# Altium PCB PCB.PcbDoc (part 1 of 2) (continued)
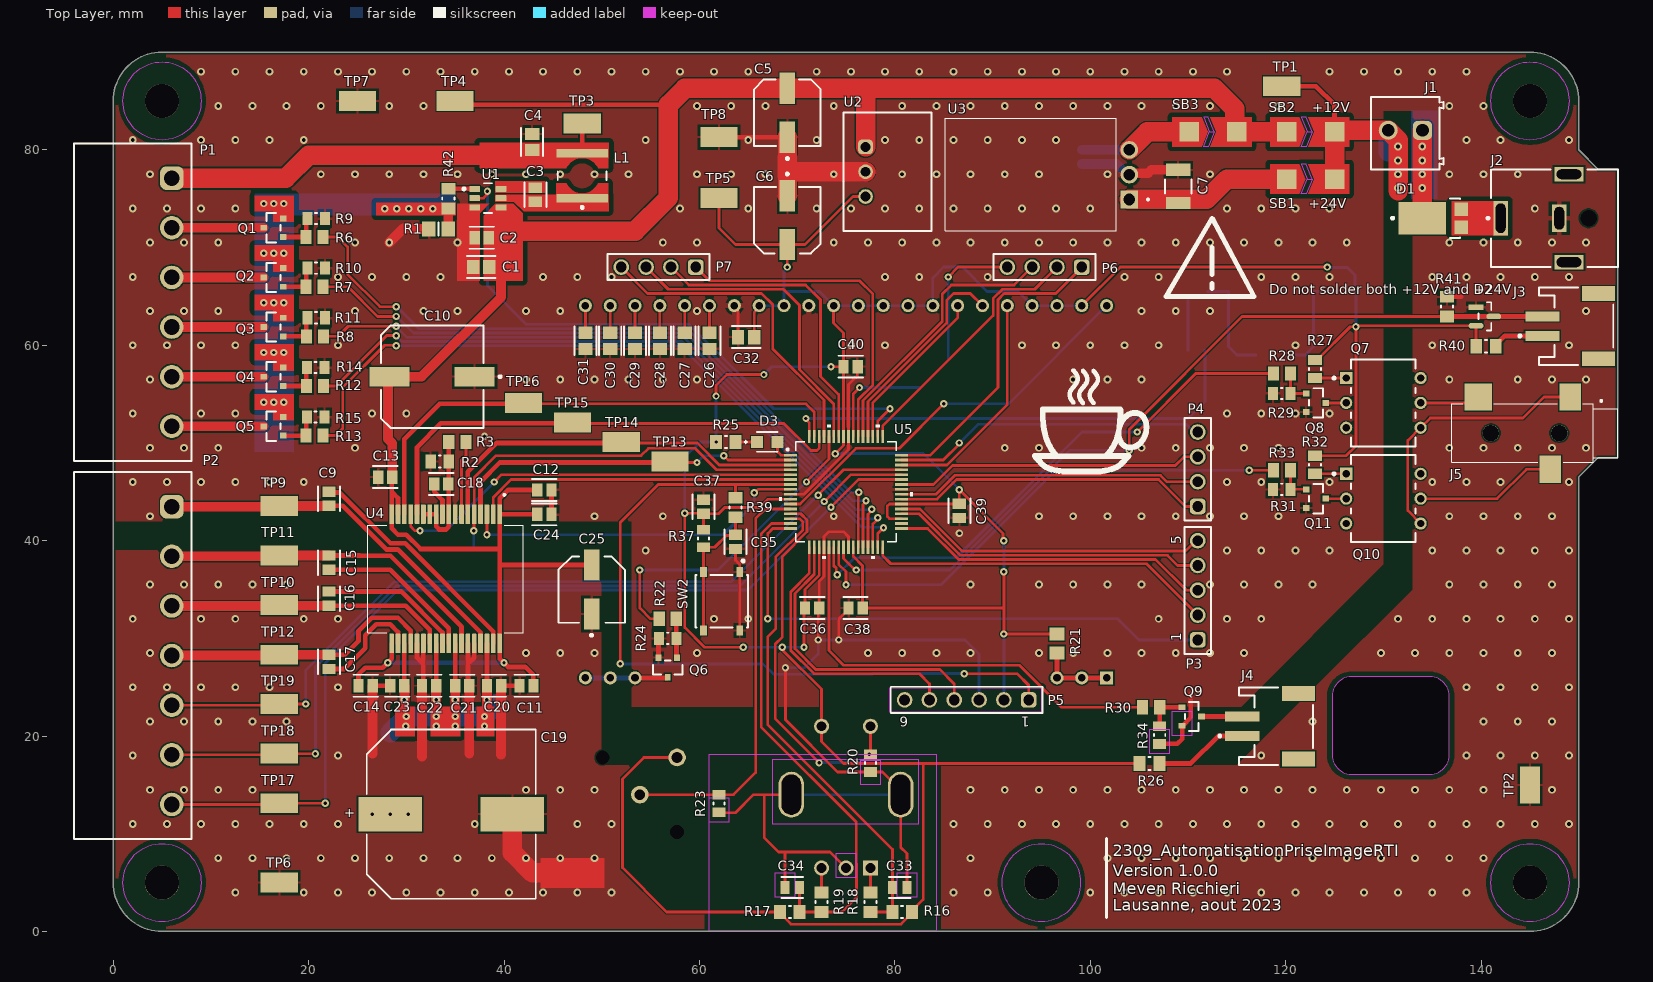
[diagram p0: Top Layer view]
## Footprints (in the part's own frame and the unit in brackets; to place one, negate y for a bottom-side part, rotate by r counter-clockwise, add the part's x,y. Pads: shape width x height; smd on the part's side, far side on the other; paste and mask are expansions set on the pad) (continued)
"JST- S2B-PH-SM4-TB(LF)(SN)-2_V" [mm] "SMD, 2-Leads, Body 7.9x7.6mm, Pitch 2mm"
  rect 1x3.5 smd: 1(-1,3.45) 2(1,3.45)
  rect 1.5x3.4 smd: MP1(-3.35,-2.3) MP2(3.35,-2.3)
  silkscreen extent -3.95,-3.8 3.95,5.87, body extent -3.95,-3.8 3.95,4.8, height 5.6
KSTN-5019_V [mm] "Test Point, 1-Leads, Body 3.81x2.03mm"
  rect 3.8x2.03 smd: 1(0,0)
  body extent -1.9,-1.01 1.9,1.02, height 2.29
P7812-2000R-S [mm]
  rect 1.8x1.8 / inner round 1.8 / far side rect 1.8x1.8 hole 1.2: 1(-10.1,2.54)
  round 1.8 hole 1.2: 2(-10.1,0) 3(-10.1,-2.54)
  silkscreen extent -12.1,-5.75 8.75,5.75, body extent -10.25,-5.75 8.75,5.75, height 9.05
RESC2013X50X30NL20T20 [mm] "Chip Resistor, 2-Leads, Body 2.00x1.25mm, IPC Medium Density"
  rect 1.05x1.45 smd: 1(-0.925,0) 2(0.925,0)
  silkscreen extent -0.1,-0.63 0.1,0.63, body extent -1.1,-0.72 1.1,0.72, height 0.5
RESC2013X60X30ML20T20 [mm] "Chip Resistor, 2-Leads, Body 2.00x1.25mm, IPC Low Density"
  rect 1.25x1.55 smd: 1(-1.025,0) 2(1.025,0)
  silkscreen extent -0.1,-0.67 0.1,0.67, body extent -1.1,-0.72 1.1,0.72, height 0.6
RESC2013X60X30NL20T20 [mm] "Chip Resistor, 2-Leads, Body 2.00x1.25mm, IPC Medium Density"
  rect 1.05x1.45 smd: 1(-0.925,0) 2(0.925,0)
  silkscreen extent -0.1,-0.63 0.1,0.63, body extent -1.1,-0.72 1.1,0.72, height 0.6
RESC2013X60X35ML10T20 [mm] "Chip Resistor, 2-Leads, Body 2.1x1.35mm, IPC Low Density"
  rect 1.2x1.45 smd: 1(-1,0) 2(1,0)
  silkscreen extent -0.1,-0.63 0.1,0.63, body extent -1.05,-0.68 1.05,0.67, height 0.6
RESC2013X60X35NL10T20 [mm] "Chip Resistor, 2-Leads, Body 2.1x1.35mm, IPC Medium Density"
  rect 1x1.35 smd: 1(-0.9,0) 2(0.9,0)
  silkscreen extent -0.1,-0.58 0.1,0.58, body extent -1.05,-0.68 1.05,0.67, height 0.6
RESC2013X70X40ML20T20 [mm] "Chip Resistor, 2-Leads, Body 2.00x1.25mm, IPC Low Density"
  rect 1.35x1.55 smd: 1(-0.975,0) 2(0.975,0)
  body extent -1.1,-0.72 1.1,0.72, height 0.7
RESC2013X70X40NL20T20 [mm] "Chip Resistor, 2-Leads, Body 2.00x1.25mm, IPC Medium Density"
  rect 1.15x1.45 smd: 1(-0.875,0) 2(0.875,0)
  body extent -1.1,-0.72 1.1,0.72, height 0.7
"Solder bridge" [mm]
  rect 2x2 smd paste-2539.97: 1(0,0)
  rect 2x2 smd paste+0: 2(4.875,0)
  Top Layer region: 3.774,-1.5 3.774,1.5 3.724,1.5 3.112,0 3.724,-1.5
  Top Layer region: -1.512,1.5 -1.512,-1.5 2.713,-1.5 2.1,0 2.713,1.5
  Top Layer region: 6.6,1.5 6.6,-1.5 3.599,-1.5 2.987,0 3.599,1.5
  Top Layer keep-out region: 2.9,-1.5 3.4,-1.5 2.8,0 2.3,0
  Top Layer keep-out region: 2.9,1.5 3.4,1.5 2.8,0 2.3,0
"SOP65P1420X360-36N - duplicate" [mm]
  rrect25% 1.99x0.48 smd: 1(-6.61,5.525) 2(-6.61,4.875) 3(-6.61,4.225) 4(-6.61,3.575) 5(-6.61,2.925) 6(-6.61,2.275) 7(-6.61,1.625) 8(-6.61,0.975) 9(-6.61,0.325) 10(-6.61,-0.325) 11(-6.61,-0.975) 12(-6.61,-1.625) 13(-6.61,-2.275) 14(-6.61,-2.925) 15(-6.61,-3.575) 16(-6.61,-4.225) 17(-6.61,-4.875) 18(-6.61,-5.525) 19(6.61,-5.525) 20(6.61,-4.875) 21(6.61,-4.225) 22(6.61,-3.575) 23(6.61,-2.925) 24(6.61,-2.275) 25(6.61,-1.625) 26(6.61,-0.975) 27(6.61,-0.325) 28(6.61,0.325) 29(6.61,0.975) 30(6.61,1.625) 31(6.61,2.275) 32(6.61,2.925) 33(6.61,3.575) 34(6.61,4.225) 35(6.61,4.875) 36(6.61,5.525)
  silkscreen extent -8.7,-7.95 5.5,7.95, body extent -9,-9 9,9, height 13.5
"Tact-sw 1241.1082" [mm]
  round 1.8 hole 1.1: 1(0,0) 2(-3.81,3.81)
  round 0 hole 1.4 unplated: 16(-3.81,-3.81) 16(3.81,3.81)
  silkscreen extent -6.5,-6.5 6.5,6.5, body extent -6.32,-6.32 6.33,6.33, height 17
TQFP64_PT_MCH [mm]
  rect 1.341x0.279 smd paste+0 mask+0: 1(-5.674,3.75) 2(-5.674,3.25) 3(-5.674,2.75) 4(-5.674,2.25) 5(-5.674,1.75) 6(-5.674,1.25) 7(-5.674,0.75) 8(-5.674,0.25) 9(-5.674,-0.25) 10(-5.674,-0.75) 11(-5.674,-1.25) 12(-5.674,-1.75) 13(-5.674,-2.25) 14(-5.674,-2.75) 15(-5.674,-3.25) 16(-5.674,-3.75) 33(5.674,-3.75) 34(5.674,-3.25) 35(5.674,-2.75) 36(5.674,-2.25) 37(5.674,-1.75) 38(5.674,-1.25) 39(5.674,-0.75) 40(5.674,-0.25) 41(5.674,0.25) 42(5.674,0.75) 43(5.674,1.25) 44(5.674,1.75) 45(5.674,2.25) 46(5.674,2.75) 47(5.674,3.25) 48(5.674,3.75)
  rect 0.279x1.341 smd paste+0 mask+0: 17(-3.75,-5.674) 18(-3.25,-5.674) 19(-2.75,-5.674) 20(-2.25,-5.674) 21(-1.75,-5.674) 22(-1.25,-5.674) 23(-0.75,-5.674) 24(-0.25,-5.674) 25(0.25,-5.674) 26(0.75,-5.674) 27(1.25,-5.674) 28(1.75,-5.674) 29(2.25,-5.674) 30(2.75,-5.674) 31(3.25,-5.674) 32(3.75,-5.674) 49(3.75,5.674) 50(3.25,5.674) 51(2.75,5.674) 52(2.25,5.674) 53(1.75,5.674) 54(1.25,5.674) 55(0.75,5.674) 56(0.25,5.674) 57(-0.25,5.674) 58(-0.75,5.674) 59(-1.25,5.674) 60(-1.75,5.674) 61(-2.25,5.674) 62(-2.75,5.674) 63(-3.25,5.674) 64(-3.75,5.674)
  silkscreen extent -6.85,-6.85 6.85,6.85, body extent -5.99,-5.99 5.99,5.99, height 1.2
WCAP-ASLI_D16H17 [mm] "Aluminium Electrolytic V-Chip SMT Capacitors, 16x17mm"
  rect 6.5x3.5 smd: 1(6.25,0) 2(-6.25,0)
  silkscreen extent -8.65,-8.65 8.65,8.65, body extent -9.15,-8.5 9.15,8.5, height 17
WE-TPC_4828 [mm] "Power Inductor, SMD, 2-Leads, body 4.8x4.8mm"
  rect 5.3x0.9 smd paste-403.566 mask-403.566: 1(0,2.3) 2(0,-2.3)
  Top Layer region: 2.65,-0.75 1.636,-0.75 1.636,-0.75 1.138,-1.394 0.407,-1.753 -0.407,-1.753 -1.138,-1.394 -1.636,-0.75 -1.636,-0.75 -2.65,-0.75 -2.65,-0.75 -2.65,-2.75 2.65,-2.75
  Top Layer region: -2.65,0.75 -1.636,0.75 -1.636,0.75 -1.138,1.394 -0.407,1.753 0.407,1.753 1.138,1.394 1.636,0.75 1.636,0.75 2.65,0.75 2.65,0.75 2.65,2.75 -2.65,2.75
  silkscreen extent -2.5,-0.45 2.5,3.37, body extent -2.4,-2.4 2.4,2.4, height 2.8
WPME-FDSM_SIP-3_L11.6W8.5H10.5 [mm] "Fixed Step Down Regulator Module, SIP-3, body 11.60x8.50mm"
  rrect50% 1.5x1.5 hole 1: 1(-2.54,-2.25)
  round 1.5 hole 1: 2(0,-2.25) 3(2.54,-2.25)
  silkscreen extent -6.05,-4.5 6.05,4.5, body extent -5.8,-4.26 5.8,4.25, height 10.55

## Part data
C1 C4: library part CMP-2000-06102-2, "CL21 Series 0805 10uF 16V ±10% Tolerance X5R Multilayer Ceramic Chip Capacitor", Capacitance=10uF, Case Code (Imperial)=0805, Case Code (Metric)=2012, Dielectric=X7R, Max Operating Temperature=85°C, Min Operating Temperature=-55°C, Package Quantity=1, Tolerance=10%, Voltage=16V, Case/Package=0805, Depth=1.25mm, Height=1.25mm, Lead Free="Lead Free", Length=2mm, Mount="Surface Mount", Packaging="Tape and Reel", Radiation Hardening=No, Thickness=0.055inch, Voltage Rating=16V, Voltage Rating (DC)=16V, Width=0.049inch
C2 C3 C9 C15 C16 C17 C18 C20 C21 C22 C23 C35 C36 C37 C38 C39 C40: library part CMP-2000-05017-2, "CL21 Series 0805 100nF 50V ±10% Tolerance X7R Multilayer Ceramic Chip Capacitor", Capacitance=100nF, Case Code (Imperial)=0805, Case Code (Metric)=2012, Dielectric=X7R, Max Operating Temperature=125°C, Min Operating Temperature=-55°C, Tolerance=10%, Voltage=50V, Case/Package=0805, Contact Plating=Tin, Depth=1.25mm, Height=0.85mm, Lead Free="Lead Free", Length=2mm, Material=Ceramic, Mount="Surface Mount", Packaging="Tape and Reel", Radiation Hardening=No, Thickness=0.037inch, Voltage Rating=50V, Voltage Rating (DC)=50V, Width=0.049inch
C5: library part CMP-05427-000062-1, "CAP ALUM 100UF 20% 35V SMD", Capacitance=100uF, Case/Package=Radial, Leakage Current=3uA, Max Operating Temperature=85°C, Min Operating Temperature=-40°C, Package Quantity=900, Ripple Current=132mA, Tolerance=20%, Voltage=35V, Construction=Cylindrical, Contact Plating=Tin, Diameter=6.3mm, Height=7.7mm, Height - Seated (Max)=0.303inch, Lead Free="Lead Free", Length=8mm, Life (Hours)=2000Hour, Mount="Surface Mount", Number of Pins=8, Packaging="Tape and Reel", Polarity=Polar, Radiation Hardening=No, REACH SVHC="No SVHC", Ripple Current (AC)=132mA, RoHS Compliant=Yes, Series=S, Termination=SMD/SMT, Voltage Rating=35V, Voltage Rating (DC)=35V
C6: library part CMP-05427-000053-1, "CAP ALUM 220UF 20% 6.3V SMD", Capacitance=220uF, Case/Package=Radial, ESR (Equivalent Series Resistance)=360mR, Leakage Current=3uA, Max Operating Temperature=105°C, Min Operating Temperature=-55°C, Package Quantity=1000, Ripple Current=240mA, Tolerance=20%, Voltage=6.3V, Construction=Cylindrical, Contact Plating=Tin, Diameter=6.3mm, Height=5.8mm, Height - Seated (Max)=0.24inch, Impedance=360mR, Lead Free="Lead Free", Length=5.8mm, Life (Hours)=2000Hour, Material=Aluminium, Mount="Surface Mount", Number of Pins=2, Packaging="Tape and Reel", Polarity=Polar, Radiation Hardening=No, REACH SVHC="No SVHC", Ripple Current (AC)=240mA, RoHS Compliant=Yes, Series=FK, Size=5.8mm, Termination=SMD/SMT, Voltage Rating=6.3V, Voltage Rating (DC)=6.3V, Width=7.8mm
C7: library part CMP-14477-001772-2, "None", Capacitance=22uF, Case Code (Imperial)=1210, Case Code (Metric)=3225, Max Operating Temperature=85°C, Min Operating Temperature=-55°C, Tolerance=20%, Voltage Rating=35V, Case/Package=1210, Lead Free="Lead Free", Mount="Surface Mount", Packaging="Cut Tape", RoHS Compliant=Yes
C8: library part CMP-13271-003225-1, "CL21 Series 0805 22uF 25V ±20% Tolerance X5R Multilayer Ceramic Chip Capacitor", Voltage=25V
C10: library part CMP-05427-002166-1, "CAP ALUM 330UF 20% 35V SMD", Capacitance=330uF, Case/Package=Radial, Leakage Current=3uA, Max Operating Temperature=85°C, Min Operating Temperature=-40°C, Package Quantity=500, Ratings=AEC-Q200, Ripple Current=350mA, Tolerance=20%, Voltage=35V, Construction=Cylindrical, Contact Plating=Tin, Diameter=10mm, Height=10.2mm, Height - Seated (Max)=0.402inch, Lead Free="Lead Free", Length=10.5mm, Life (Hours)=2000Hour, Mount="Surface Mount", Packaging="Tape and Reel", Polarity=Polar, Radiation Hardening=No, Reach SVHC Compliant=Yes, Ripple Current (AC)=350mA, RoHS Compliant=Yes, Series=S, Termination=SMD/SMT, Voltage Rating=35V, Voltage Rating (DC)=35V
C11 C12 C13 C14 C24: library part CMP-13271-001433-1, "CL21 Series 0805 1uF 50V ±10% Tolerance X7R Multilayer Ceramic Chip Capacitor", Capacitance=1uF, Case Code (Imperial)=0805, Case Code (Metric)=2012, Dielectric=X7R, Max Operating Temperature=125°C, Min Operating Temperature=-55°C, Package Quantity=3000, Tolerance=10%, Voltage=50V, Case/Package=0805, Contact Plating=Tin, Depth=1.25mm, Length=2mm, Material=Ceramic, Mount="Surface Mount", Packaging="Tape and Reel", Termination=Wraparound, Thickness=0.053inch, Voltage Rating=50V, Width=0.049inch
C19: library part CMP-03913-53914628-1, "865080663020 WCAP-ASLI Aluminum Electrolytic Capacitors", Capacitance=1mF, Case/Package=Radial, ESR (Equivalent Series Resistance)=60.8615mΩ, Insulation Resistance=100kΩ, Leakage Current=500µA, Max Operating Temperature=105°C, Min Operating Temperature=-55°C, Ripple Current=1A, Tolerance=20%, Voltage Rating=50V, Diameter=16mm, Height=17mm, Height - Seated (Max)=16.9926mm, Impedance=78mΩ, Length=17mm, Life (Hours)=2000hours, Mount="Surface Mount", NexarPartId=53914628, Packaging="Tape & Reel (TR)", Polarity=Polar, REACH SVHC=Unknown, Ripple Current (AC)=1A, RoHS=Compliant, Voltage Rating (DC)=50V, Width=17.1mm
C25: library part CMP-2000-06216-2, "CAP ALUM 47UF 20% 35V SMD", Capacitance=47uF, Case/Package=Radial, ESR (Equivalent Series Resistance)=260mR, Leakage Current=3uA, Max Operating Temperature=105°C, Min Operating Temperature=-55°C, Package Quantity=1, Ripple Current=300mA, Tolerance=20%, Voltage=35V, Construction=Cylindrical, Contact Plating=Tin, Diameter=6.3mm, Dissipation Factor=0.12%, Height=5.8mm, Height - Seated (Max)=0.228inch, Lead Free="Lead Free", Lead Pitch=1.8mm, Length=5.8mm, Life (Hours)=2000Hour, Material=Aluminium, Mount="Surface Mount", Number of Pins=2, Packaging="Tape and Reel", Radiation Hardening=No, REACH SVHC="No SVHC", Ripple Current (AC)=300mA, RoHS Compliant=Yes, Series=FP, Termination=SMD/SMT, Voltage Rating=35V, Voltage Rating (DC)=35V
C26 C27 C28 C29 C30 C31 C32: library part CMP-13271-002018-1, "CL21 Series 0805 1uF 25V -20/+80% Tolerance Y5V Multilayer Ceramic Chip Capacitor", Capacitance=1uF, Case/Package=0805, Dielectric=Y5V, Max Operating Temperature=85°C, Min Operating Temperature=-30°C, Package Quantity=10000, Tolerance=80%, Voltage Rating=25V, Depth=1.25mm, Height=1.25mm, Length=2mm, Mount="Surface Mount", Packaging="Tape and Reel", Radiation Hardening=No, Thickness=0.053inch, Voltage Rating (DC)=25V, Width=0.049inch
C33 C34: library part CMP-2007-01173-3, "CAP CER SMD 0805 .01UF X7R 5% 50", Capacitance="10,000 pF", Manufacturer=KEMET, Package=C0805C-DN, Temperature="-55°C to +125°C", Temperature Characteristic=X7R, Temperature Coefficient=30ppm/°C, Temperature Range High=+125°C, Temperature Range Low=-55°C, Tolerance=0.05, Voltage Rating="50 V", Automotive=No, Category=Cap, ComponentLink2Description=Datasheet, ComponentLink2URL=https://content.kemet.com/datasheets/KEM_C1003_C0G_SMD.pdf, Device Class L1="Passive Components", Device Class L2=Capacitors, Device Class L3="Ceramic Capacitors", Digikey Description="CAP CER SMD 0805 .01UF X7R 5% 50", Height=0.88mm, Ipc Land Pattern Name=CAPC200125X78, Lead Free=Yes, Manufacturer Part Number=C0805C103J5RAC7210, Material=Ceramic, Mouser Description="Cap Ceramic 0.01uF 50V X7R 5% Pad SMD 0805 125C T/R", Octopart=https://octopart.com/c0805c103j5rac7210-kemet-3921106, RoHS=TRUE
D1: library part CMP-12790-000057-1, "DIODE SCHOTTKY 40V 10A POWERDI5", Forward Current=10A, Manufacturer="Diodes Inc.", Max Junction Temp=+150°C, Max Repetitive Reverse Voltage=40V, Max Surge Forward Current=275A, Package=PowerDI5, Peak Reverse Current=0.07mA, Temperature="-65°C to +150°C", Temperature Range Low=-65°C, Automotive=Yes, Automotive Grade="Grade 0", Category=Diode, ComponentLink2Description=Datasheet, ComponentLink2URL=https://www.diodes.com/assets/Datasheets/ds30486.pdf, Device Class L1="Discrete Semiconductors", Device Class L2=Diodes, Device Class L3="Schottky Diodes", Digikey Description="DIODE SCHOTTKY 40V 10A POWERDI5", Footprint Url=https://www.diodes.com/assets/Package-Files/PowerDI5.pdf, Height=1.15mm, Lead Free=Yes, Manufacturer Part Number=PDS1040L-13, Mouser Description="PDS1040L Series 40 V 10 A Low VF Schottky Barrier Rectifier - PowerDI? 5", Octopart=https://octopart.com/pds1040l-13-diodes+inc.-332540, Reverse Voltage=40V, RoHS=TRUE, Standoff Height=0mm, Temperature Range High=+150°C
D2: library part CMP-1055-00536-2, "DIODE ARRAY SCHOTTKY 30V SOT23-3", Average Rectified Current=200mA, Capacitance=10pF, Case/Package=SOT-23-3, Forward Voltage=800mV, Max Forward Surge Current (Ifsm)=600mA, Max Operating Temperature=150°C, Max Repetitive Reverse Voltage (Vrrm)=30V, Max Reverse Leakage Current=2uA, Min Operating Temperature=-55°C, Package Quantity=3000, Peak Non-Repetitive Surge Current=1A, Power Dissipation=225mW, Contact Plating=Tin, Current Rating=200mA, Element Configuration=Dual, Forward Current=200mA, Halogen Free="Halogen Free", Height=0.94mm, Lead Free="Lead Free", Length=2.9mm, Max Reverse Voltage (DC)=30V, Max Surge Current=600mA, Number of Pins=3, Packaging="Tape and Reel", Peak Reverse Current=2uA, Radiation Hardening=No, REACH SVHC="No SVHC", Recovery Time=5ns, Reverse Recovery Time=5ns, Voltage Rating (DC)=30V, Width=1.3mm
D3: library part CMP-2000-06540-2, "LED RED DIFFUSED 0805 SMD", Forward Current=30mA, Forward Voltage=2.6V, Max Operating Temperature=85°C, Min Operating Temperature=-30°C, Reverse Voltage=5V, Test Current=20mA, Depth=1.35mm, Dominant Wavelength=645nm, Length=2.1mm, Lens Style=Diffused, Luminous Intensity=15mcd, Mount="Surface Mount", Number of Elements=1, Number of Pins=2, Packaging="Tape and Reel", Radiation Hardening=No, Viewing Angle=160°
D4: library part CMP-12791-000005-1, "DIODE GEN PURP 100V 150MA SOD123", Capacitance=2pF, Forward Current=300mA, Manufacturer="Diodes Inc.", Max Junction Temp=+150°C, Max Repetitive Reverse Voltage=100V, Max Surge Forward Current=1A, Package=SOD123, Peak Reverse Current=1uA, Temperature="-65°C to +150°C", Temperature Range Low=-65°C, Automotive=No, Category=Diode, ComponentLink2Description=Datasheet, ComponentLink2URL=https://upverter.com/datasheet/628e7d6fee5901eee6eef4567d1c3569f2cd3cde.pdf, Device Class L1="Discrete Semiconductors", Device Class L2=Diodes, Device Class L3="Rectifier Diodes", Digikey Description="DIODE GEN PURP 100V 150MA SOD123", Footprint Url=https://www.diodes.com/assets/Package-Files/SOD123.pdf, Height=1.45mm, Lead Free=Yes, Manufacturer Part Number=1N4148W-13-F, Mouser Description="1N4148W Series 2 A 100 V 400 mW Surface Mount Fast Switching Diode - SOD-123", Octopart=https://octopart.com/1n4148w-13-f-diodes+inc.-2359612, Reverse Voltage=100V, RoHS=TRUE, Standoff Height=0mm, Temperature Range High=+150°C
ENC1: library part CMP-07421-000021-1, "ROTARY ENCODER MECHANICAL 24PPR", Max Operating Temperature=70°C, Max Supply Voltage (DC)=5V, Min Operating Temperature=-30°C, Package Quantity=150, Built in Switch=Yes, Detent=Yes, Encoder Type=Mechanical, Height=13.4mm, Hole Diameter=2mm, Length=26mm, Mount="Through Hole", Number of Channels=2, Orientation=Vertical, Output Type=Quadrature, Packaging=Bulk, Pulses per Revolution=24, REACH SVHC="No SVHC", RoHS Compliant=Yes, Series=PEC12R, Termination="PC Pin", Width=12.5mm
J1: library part CMP-1502-02464-2, Color="Blue, Green", Current=10A, Max Operating Temperature=105°C, Min Operating Temperature=-40°C, Voltage=300V, Contact Material=Brass, Contact Plating="Brass, Tin", Current Rating=10A, Height=8.7mm, Housing Material=Nylon, Lead Pitch=3.5mm, Length=7.4mm, Mount="Through Hole", NexarPartId=18818288, Number of Contacts=2, Number of Levels=1, Number of Pins=2, Number of Positions Per Level=2, Number of Rows=1, Packaging=Box, Pitch=3.5052mm, Plating="Brass, Steel", REACH SVHC=Unknown, RoHS=Compliant, Stripping Length=-6mm, Termination=Screw, Voltage Rating=300V, Width=7.9mm, Wire Gauge (Max)=24AWG, Wire Gauge (Min)=16AWG, Wire/Cable Gauge=24AWG
J2: library part CMP-2000-06898-1, "Through Hole Right Angle DC Power Jack, 8 A, 2 mm Center Pin, 2 Position, -25 to 85 degC, RoHS, Bulk", Current Rating=8A, Flammability Rating=UL94V-0, Insulation Resistance=100MOhms, Manufacturer=CUIInc., Operating Temperature Range=-25Cto+85C, Package Description="2-Pin Through Hole Device, Body 13 x 10 mm, Height 9 mm", Voltage Rating=24V, Brand=CUI, Connector Type=DCPowerJack, Contact Gender=Male, Contact Material=Copper, Contact Plating=Nickel, Datasheet URL=http://www.cui.com/product/resource/pj-063ah.pdf, Datasheet Version="Rev. 1.02, 03/2016", Factory Pack Quantity=500, Housing Material=PolybutyleneTerephthalate(PBT), Inside Contact Diameter=2mm, Manufacturer URL=http://www.cui.com/, Mounting Angle=Right, Mounting Style=KinkedPin, Mounting Technology=ThroughHole, Outside Contact Diameter=6.5mm, Package Reference=PJ-063AH, Product=Jacks, Product Category=DCPowerConnectors, RoHS=True, Termination Style=ThroughHole
J3 J4: library part CMP-1755-00001-1, "Male Header, Pitch 2 mm, 1 x 2 Position, Height 5.5 mm, -25 to 85 degC, RoHS, Tape and Reel", Colour=Black, Current Rating="3 A", Max Operating Temperature=105degC, Min Operating Temperature=-65degC, Package Quantity=100, ComponentLink1Description="Manufacturer URL", ComponentLink1URL=http://www.jst.com/home2.html, ComponentLink2Description=Datasheet, ComponentLink2URL=http://www.jst-mfg.com/product/pdf/eng/ePH.pdf, Contact Finish=Lead, Contact Material=Bronze, Contact Plating=Tin, DatasheetVersion=Dec-12, Height="8.13 mm", Lead Pitch="0.1 inch", Length="101.19 mm", Mount="Through Hole", PackageDescription="Male Header, Pitch 2 mm, 1 x 2 Position, Height 5.5 mm", PackageReference=S2B-PH-SM4-TB(LF)(SN)-2, Packaging=Bulk, Pins=40, Radiation Hardening=No, RoHSCompliant=True, Width="2.34 mm"
J5: library part SJ-3523-SMT
L1: library part CMP-0227-00340-3, Ambient Temperature Range High=95°C, Ambient Temperature Range Low=-40°C, Case Code (Imperial)=1919, Case Code (Metric)=4848, Current Rating=3.1A, DC Resistance (DCR)=17mΩ, Inductance=1.2µH, Inductance Tolerance=30%, Max Operating Temperature=125°C, Saturation Current=2.8A, Self Resonant Frequency=150MHz, Test Frequency=100kHz, Case/Package=1919, Composition=Wirewound, Core Material=Ferrite, Depth=4.8mm, Height=2.8mm, Height - Seated (Max)=2.9972mm, Lead Free="Lead Free", Length=4.8mm, Max DC Current=3.1A, Min Operating Temperature=-40°C, Mount="Surface Mount", NexarPartId=8917077, Number of Pins=2, Packaging="Cut Tape (CT)", REACH SVHC=Unknown, Resistance=17mΩ, RMS Current (Irms)=3.1A, RoHS=Compliant, Shielding=Shielded, Termination=SMD/SMT, Tolerance=30%, Weight=256.988427mg, Width=4.8mm
LS1: library part CMP-2000-05252-2, "AUDIO PIEZO TRANSDUCER 12.5V SMD", Frequency=4kHz, Max Operating Temperature=85°C, Max Supply Voltage (DC)=12.5V, Min Operating Temperature=-40°C, Min Supply Voltage (DC)=-12.5V, Package Quantity=2000, Voltage Rating=1.5V, Depth=9mm, Height=1.9mm, Lead Free="Lead Free", Length=9mm, Mount="Surface Mount", Packaging="Tape and Reel", Radiation Hardening=No, REACH SVHC="No SVHC", Self Resonant Frequency=4kHz, Termination=Solder, Voltage Rating (DC)=12.5V, Width=9mm
P1: library part CMP-1502-02196-2, Color=Green, Current=20A, Voltage=300V, Contact Gender=Male, Contact Material=Brass, Contact Plating=Tin, Gender=Male, Height=12mm, Lead Pitch=5.08mm, Length=11.5mm, Mount="Through Hole", NexarPartId=8917763, Number of Contacts=6, Number of Levels=1, Number of Pins=6, Number of Positions Per Level=6, Number of Rows=1, Packaging=Box, Pitch=5.08mm, REACH SVHC="No SVHC", RoHS=Compliant, Termination=Solder, Width=32.48mm
P2: library part CMP-1502-02197-2, NexarPartId=105951014
P3: library part CMP-1502-01068-2, Color=Black, Contact Resistance=20mΩ, Current Rating=3A, Max Operating Temperature=105°C, Min Operating Temperature=-40°C, Operating Supply Voltage=250V, Connector Type="Male Pin", Contact Material=Copper, Contact Mating Length=5.9944mm, Contact Plating=Gold, Gender=Male, Height=8.89mm, Lead Free="Lead Free", Lead Pitch=2.54mm, Mount="Through Hole", NexarPartId=32855526, Number of Contacts=5, Number of Pins=5, Number of Positions=5, Number of Rows=1, Orientation=Vertical, Packaging=Bulk, Pitch=2.54mm, REACH SVHC=Unknown, RoHS=Compliant, Termination=Solder, Voltage Rating=250V
P4 P6 P7: library part CMP-1502-01064-2, Color=Black, Contact Resistance=20mΩ, Current Rating=3A, Max Operating Temperature=105°C, Min Operating Temperature=-40°C, Operating Supply Voltage=250V, Connector Type="Male Pin", Contact Material=Copper, Contact Mating Length=5.9944mm, Contact Plating=Gold, Gender=Male, Height=8.89mm, Lead Free="Lead Free", Lead Pitch=2.54mm, Mount="Through Hole", NexarPartId=32855522, Number of Contacts=4, Number of Pins=4, Number of Positions=4, Number of Rows=1, Orientation=Vertical, Packaging=Bulk, Pitch=2.54mm, REACH SVHC=Unknown, RoHS=Compliant, Termination=Solder, Voltage Rating=250V
P5: library part CMP-1502-01070-2, Color=Black, Contact Resistance=20mΩ, Current Rating=3A, Max Operating Temperature=105°C, Min Operating Temperature=-40°C, Operating Supply Voltage=250V, Connector Type="Male Pin", Contact Gender=Male, Contact Material=Copper, Contact Mating Length=5.9944mm, Contact Plating=Gold, Gender=Male, Height=8.89mm, Housing Material=PBT, Lead Free="Lead Free", Lead Pitch=2.54mm, Mount="Through Hole", NexarPartId=20084590, Number of Contacts=6, Number of Pins=6, Number of Positions=6, Number of Rows=1, Orientation=Vertical, Packaging=Bulk, Pitch=2.54mm, REACH SVHC=Unknown, RoHS=Compliant, Termination="Through Hole", Voltage Rating=250V
Q1 Q2 Q3 Q4 Q5 Q6 Q8 Q9 Q11 Q12: library part CMP-14409-000013-1, "MOSFET N-CH 30V SOT23"
Q7 Q10: library part CMP-00278-84323282-1, "4N25M Optocoupler DC-IN 1-CH Transistor With Base DC-OUT 6-Pin PDIP Tube - Bulk", Case/Package=DIP, Collector Emitter Breakdown Voltage=30V, Collector Emitter Saturation Voltage=500mV, Current Transfer Ratio=20%, Forward Current=10mA, Forward Voltage=1.18V, Isolation Voltage=7.5kV, Manufacturer Lifecycle Status=ACTIVE, Max Input Current=50mA, Max Junction Temperature (Tj)=125°C, Max Operating Temperature=100°C, Max Power Dissipation=200mW, Min Operating Temperature=-55°C, Power Dissipation=250mW, Reverse Breakdown Voltage=6V, Approvals=UL, Collector Emitter Voltage (VCEO)=500mV, Fall Time=2µs, Height=5.08mm, Input Current=10mA, Lead Free="Lead Free", Length=7.12mm, Lifecycle Status=Production, Max Output Voltage=30V, Mount="Through Hole", NexarPartId=84323282, Number of Channels=1, Number of Circuits=1, Number of Elements=1, Number of Pins=6, Output Voltage=30V, Radiation Hardening=No, REACH SVHC="No SVHC", Reverse Voltage=6V, Rise Time=2µs, RoHS=Compliant, Schedule B="8541408000, 8541408000", Turn-Off Delay Time=2µs, Turn-On Delay Time=2µs, Weight=855mg, Width=6.5mm
R1: library part Res1, "Resistor", LatestRevisionDate=17-Jul-2002, LatestRevisionNote="Re-released for DXP Platform.", PackageDescription="Axial Device, Thru-Hole; 2 Leads; 0.3 in Pin Spacing", PackageReference=AXIAL-0.3, Published=8-Jun-2000, Publisher="Altium Limited"
R2: library part CMP-2001-01793-1, Manufacturer="KOA Speer", Power=1/4W, Part Number=RK73B2ATTD1R0J
R3: library part CMP-2001-00559-1, Manufacturer=Panasonic, Part Number=ERJ6ENF5602V
R4 R5 R16 R17 R18 R19 R41: library part CMP-2000-05025-1, "Chip Resistor, 10 KOhm, +/- 5%, 0.125 W, -55 to 155 degC, 0805 (2012 Metric), RoHS, Tape and Reel", Manufacturer=Yageo, Package Description="2-Pin Surface Mounted Device, Body 2 x 1.25 mm", Package Reference=805, Power Rating=250mW, Resistance=10k, Resistance Tolerance=±5%, Resistor Case Style=0805[2012Metric], Resistor Element Type=ThickFilm, Temperature Coefficient=±100ppm/degC, Voltage Rating=150V, Automotive Qualification Standard=-, Datasheet URL=http://www.yageo.ru/pdf/RC0805.pdf, Datasheet Version="REV. 2, 09/2004", Manufacturer URL=http://www.yageo.com/, MSL=MSL1-Unlimited, Packaging=CutTape, Product Range=RCSeries, SVHC=ToBeAdvised
R6 R7 R8 R12 R13 R22 R28 R30 R33 R35: library part CMP-2001-00044-1, Manufacturer=Panasonic, Part Number=ERJ6ENF2200V
R9 R10 R11 R14 R15 R20 R23 R24 R29 R31 R34 R36 R37: library part CMP-1659-00011-4, "Chip Resistor, 47 KOhm, +/- 1%, 0.125 W, -55 to 155 degC, 0805 (2012 Metric), RoHS, Tape and Reel", Manufacturer=Yageo, Max Operating Temperature="155 degC", Min Operating Temperature="-55 degC", Package Quantity=200, Voltage Rating="150 V", ComponentLink1Description="Manufacturer URL", ComponentLink1URL=http://www.yageo.com/, ComponentLink2Description=Datasheet, ComponentLink2URL=http://www.yageo.com/documents/recent/PYu-RC_Group_51_RoHS_L_04.pdf, DatasheetVersion="Rev. 4, 02/2016", Height="0.5 mm", Length="2 mm", Mount="Surface Mount", Mounting Technology="Surface Mount", PackageDescription="2-Pin Surface Mounted Device, Body 2 x 1.25 mm", PackageReference=0805, Packaging="Tape and Reel", Pins=2, REACH SVHC="No SVHC", RoHSCompliant=true
R21: library part CMP-2001-00520-1, Manufacturer=Panasonic, Part Number=ERJ6ENF18R0V
R25: library part CMP-2001-01402-1, Manufacturer=Yageo, Part Number=RC0805JR-0775RL
R26: library part CMP-2001-01797-1, Manufacturer="KOA Speer", Part Number=RK73B2ATTD200J, Puissance=1/4W
R27 R32: library part CMP-1013-00431-2, Manufacturer="Vishay Dale", Part Number=CRCW0805210RFKEA
R38 R42: library part CMP-2100-03673-1, "Chip Resistor, 0 Ohm, Jumper, +/- 5%, 0.125 W, -55 to 155 degC, 0805 (2012 Metric), RoHS, Tape and Reel", Case Code (Imperial)=0805, Case Code (Metric)=2012, Manufacturer=Yageo, Max Operating Temperature=155degC, Min Operating Temperature=-55degC, Package Description="2-Pin Surface Mounted Device, Body 2 x 1.25 mm", Power Rating=125mW, Resistance=0R, Temperature Coefficient=200ppm/degreesC, Tolerance=5%, Voltage Rating=150V, Case/Package=0805, Composition=ThickFilm, Contact Plating=Tin, Datasheet URL=http://www.yageo.com/NewPortal/yageodocoutput?fileName=/pdf/R-Chip/PYu-RC_Group_51_RoHS_L_5.pdf, Datasheet Version="Rev. 5, 10/2016", Depth=1.25mm, Height=0.5mm, Lead Free=LeadFree, Length=2mm, Manufacturer URL=http://www.yageo.com/, Military Standard=Not, Number of Pins=2, Package Reference=0805, Packaging=TapeandReel, Radiation Hardening=No, REACH SVHC=Unknown, RoHSCompliant=true, Termination=SMD/SMT, Voltage Rating (DC)=150V, Width=1.25mm
R39 R40: library part CMP-2100-03671-1, "Chip Resistor, 1 KOhm, +/- 1%, 125 mW, -55 to 155 degC, 0805 (2012 Metric), RoHS, Tape and Reel", Case Code (Imperial)=0805, Case Code (Metric)=2012, Manufacturer=Yageo, Max Operating Temperature=155degC, Max Power Dissipation=125mW, Min Operating Temperature=-55degC, Package Description="2-Pin Surface Mounted Device, Body 2 x 1.25 mm", Package Quantity=1, Resistance=1k, Temperature Coefficient=100ppm/degreesC, Tolerance=1%, Voltage Rating=150V, Case/Package=0805, Composition=ThickFilm, Datasheet URL=http://www.yageo.com/NewPortal/yageodocoutput?fileName=/pdf/R-Chip/PYu-RC_Group_51_RoHS_L_5.pdf, Datasheet Version="Rev. 5, 10/2016", Depth=1.25mm, Height=0.024inch, Lead Free=LeadFree, Length=0.079inch, Manufacturer URL=http://www.yageo.com/, Military Standard=Not, Number of Pins=2, Number of Terminations=2, Package Reference=0805, Packaging=TapeandReel, Power Rating=125mW, REACH SVHC=Unknown, RoHSCompliant=true, Termination=SMD/SMT, Voltage Rating (DC)=150V, Width=0.049inch
SW2: library part CMP-10040-000013-1, "TACT 5.2 X 5.2, 1.5 MM H, 260GF,", Contact Current Rating=50mA, Contact Resistance=100mΩ, Manufacturer=C&K, Operating Force=250gf, Temperature="-20°C to +70°C", Temperature Range High=+70°C, Temperature Range Low=-20°C, Voltage Rating Dc=12V, Automotive=No, Category=Switch, ComponentLink2Description=Datasheet, ComponentLink2URL=https://www.ckswitches.com/media/2780/pts526.pdf, Device Class L1=Electromechanical, Device Class L2=Switches, Device Class L3="Tactile Switches", Digikey Description="TACT 5.2 X 5.2, 1.5 MM H, 260GF,", Electromechanical Life=200000Cycles, Height=1.65mm, Lead Free=Yes, Manufacturer Part Number=PTS526SK15SMTR2LFS, Octopart=https://octopart.com/pts526+sk15+smtr2+lfs-c%26k+components-100617999, Package=PTS526SK15SMTR2LFS, RoHS=TRUE, Standoff Height=0mm, Throw Configuration=SPST-NO
TP1 TP2 TP3 TP4 TP5 TP6 TP7 TP8 TP9 TP10 TP11 TP12 TP13 TP14 TP15 TP16 TP17 TP18 TP19: library part CMP-1672-00008-1, "Test Point, 1 Position SMD, RoHS, Tape and Reel", Package Quantity=1000, ComponentLink1Description="Manufacturer URL", ComponentLink1URL=http://www.keyelco.com/, ComponentLink2Description=Datasheet, ComponentLink2URL=http://www.keyelco.com/product-pdf.cfm?p=1357, Contact Plating=Silver, DatasheetVersion=03/2014, Mount="Surface Mount", Mounting Technology="Surface Mount", PackageDescription="1-Pin Surface Mount Device, Body 3.81 x 2.03 mm", PackageReference=5019, Packaging="Tape and Reel", Pins=1, RoHSCompliant=True
U1: library part CMP-04914-000046-1
U2: library part CMP-03913-65436605-1, "173950378 Module DC-DC 1-OUT 3.3V 0.5A 3-Pin SIP Module Tube", Case/Package=Module, Max Input Voltage=28V, Max Operating Temperature=85°C, Max Output Current=500mA, Max Output Voltage=3.3V, Max Power Dissipation=1.65W, Max Switching Frequency=570kHz, Min Input Voltage=6V, Min Operating Temperature=-40°C, Efficiency=95%, Features="OTP, OVP, SCP", Height=10.5mm, Length=11.6mm, Mount="Through Hole", NexarPartId=65436605, Nominal Output Voltage=3.3V, Number of Outputs=1, Number of Pins=3, Output Current=500mA, Output Power=1.65W, Output Type=Fixed, Output Voltage=3.3V, REACH SVHC=Unknown, RoHS=Compliant, Switching Frequency=570kHz, Voltage - Output 1=3.3V, Width=8.5mm
U4: "12 A Dual Brushed DC or Single Bipolar Stepper Motor Driver (PWM Ctrl), 0 to 52.5 V, -40 to 85 degC, 36-pin SOP (DKD36), Green (RoHS & no Sb/Br)", Package Reference=DKD0036A, Peak Output Current(A)=12, RMS Output Current(A)=7, ComponentLink1Description="Manufacturer URL", ComponentLink1URL=http://www.ti.com/, ComponentLink2Description=Datasheet, ComponentLink2URL=http://www.ti.com/general/docs/lit/getliterature.tsp?genericPartNumber=DRV8432&fileType=pdf, ComponentLink3Description="Package Specification", ComponentLink3URL=http://www.ti.com/lit/ml/mpds126j/mpds126j.pdf, Control I/F=PWM, DatasheetVersion=SLES242D, Eco-Plan="Green (RoHS & no Sb/Br)", Mounting Technology="Surface Mount", PackageDescription="36-Pin Plastic Small Outline, Body 15.9 x 11 mm, Pitch 0.65 mm", PackageVersion="4204421-2/K, 11/2013", PartNumber=DRV8432DKD, rDS (ON) (LS + HS)(mOhms)=220, Vs(Max)(V)=52.5, Vs(Min)(V)=0
U5: Mfr_Name=Microchip, Copyright="Copyright (C) 2023 Ultra Librarian. All rights reserved.", Manufacturer_Part_Number=PIC32MK0512MCF064-I/PT, RefDes=RefDes, Type=DEV

## Free pads (board coordinates)
  round 3.5 hole 3.5: ""(5,5) ""(5,85) ""(95,5) ""(145,5) ""(145,85)

## Via types
v1: diameter 0.8, hole 0.4, Top Layer to Bottom Layer, 470 vias
v2: diameter 0.75, hole 0.35, Top Layer to Bottom Layer, 100 vias